# Altium PCB batt_ctrl_pcb_v2.5.PcbDoc
Units mm, origin at the board's own origin, x right, y up, seen from the top; angles counter-clockwise.
Board outline 70 x 60 mm, 2 copper layers (Top Layer, Bottom Layer); 115 components, 96 nets, 353 pads, 177 vias.
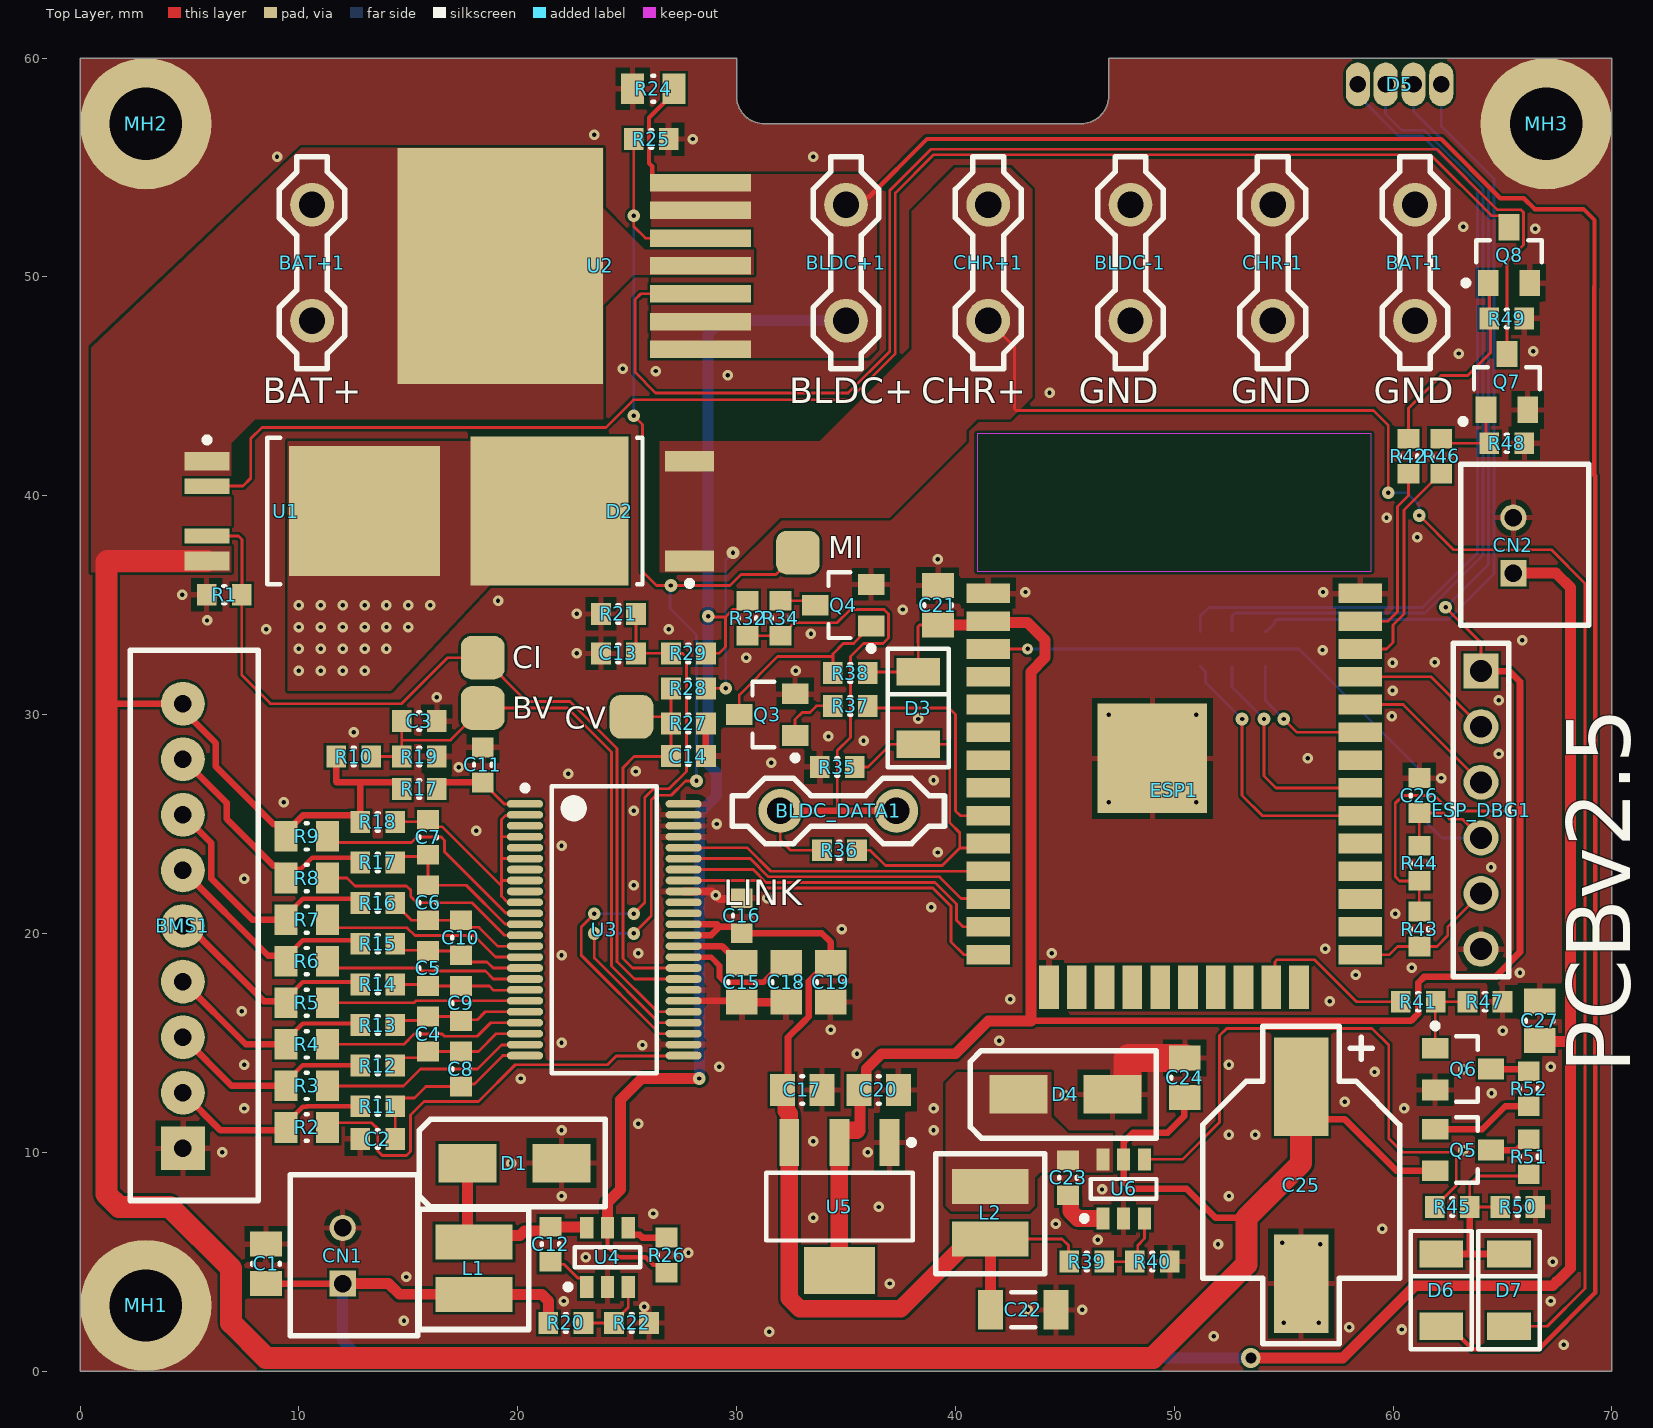
[diagram p0: Top Layer view]
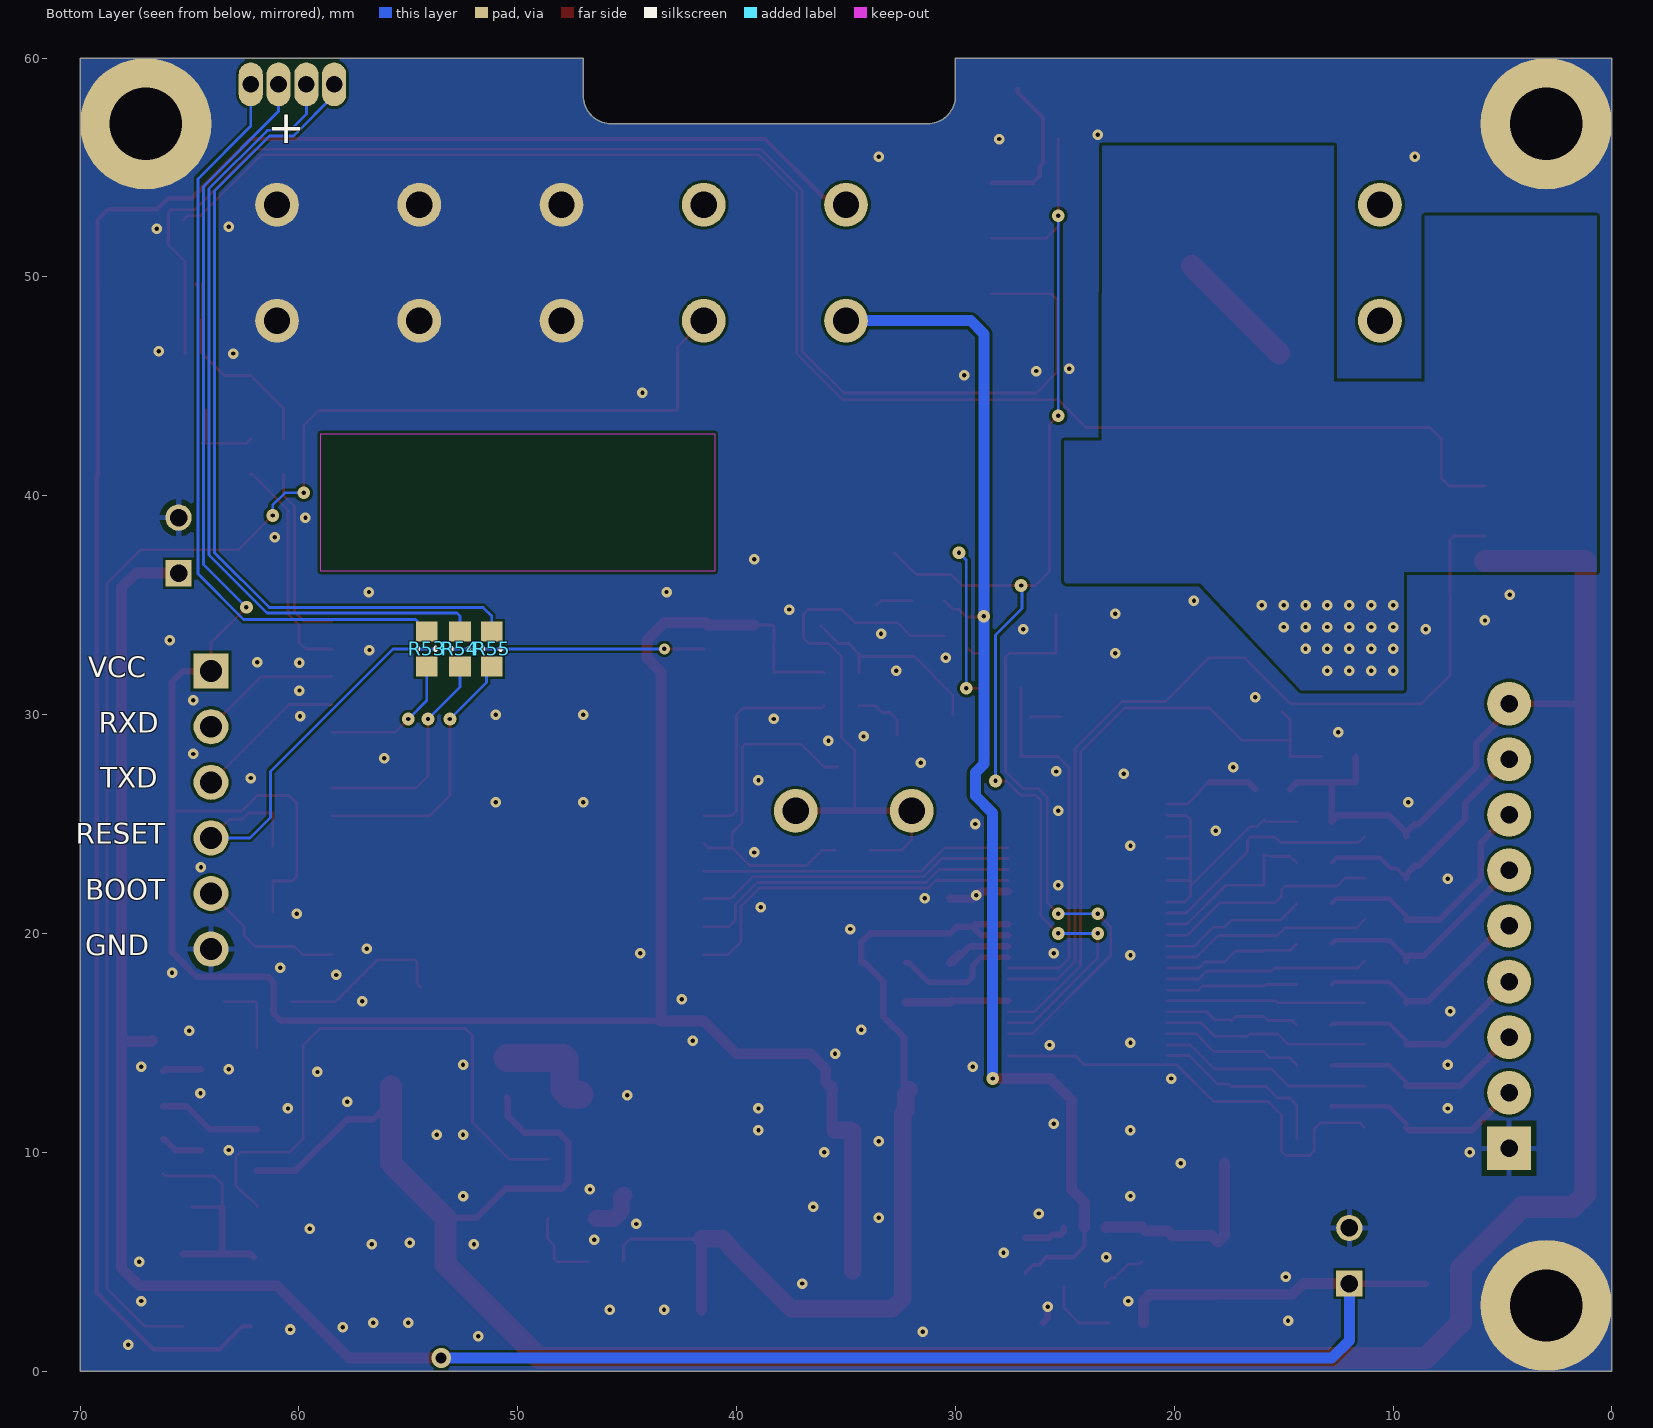
[diagram p1: Bottom Layer view, seen from below]

## Layer stack, top to bottom
Top Solder: solder mask 0.0102, Solder Resist, Dk 3.5
Top Layer: signal copper 0.0356
Dielectric 1: dielectric 0.32, FR-4, Dk 4.8
Bottom Layer: signal copper 0.0356
Bottom Solder: solder mask 0.0102, Solder Resist, Dk 3.5

## Board outline
0,0 0,60 30,60 30,58.27 ccw(c31.27,58.27) 31.27,57 45.73,57 ccw(c45.73,58.27) 47,58.27 47,60 70,60 70,0

## Design rules (kind name [scope] priority, off if disabled: settings)
Clearance [All] p1: gap=0.127 ignorepadtopadclearanceinfootprint=FALSE
DiffPairsRouting [All] p1: maxlimit=0.254 minlimit=0.127 mostfreqgap=0.254 toplayer_minwidth=0.127 toplayer_maxwidth=0.381 toplayer_prefwidth=0.381 bottomlayer_minwidth=0.127 bottomlayer_maxwidth=0.381 bottomlayer_prefwidth=0.381 maxuncoupledlength=12.7
HoleSize [All] p1: absolutevalues=TRUE maxlimit=6.3 minlimit=0.2 maxpercent=80.000 minpercent=20.000
HoleToHoleClearance [All] p1: gap=0.25 allowstackedmicrovias=TRUE
MinimumAnnularRing [All] p1: minimumring=0.13
MinimumSolderMaskSliver [All] p1: minsoldermaskwidth=0.05
PlaneClearance [All] p1: clearance=0.3
PlaneConnect Direct [IsVia] p1: planeconnectstyle=Direct reliefexpansion=0.508 reliefentries=4 reliefconductorwidth=0.254 reliefairgap=0.254
PlaneConnect [All] p2: planeconnectstyle=Relief reliefexpansion=0.508 reliefentries=4 reliefconductorwidth=0.254 reliefairgap=0.254
PolygonConnect DirectPolygonConnect [InNetClass('Direct') or IsVia or (CompParameterValue('ClassName')='DirectGND')] p1: connectstyle=Direct reliefconductorwidth=0.254 reliefentries=4 polygonreliefangle="90 Angle" airgapwidth=0.254
PolygonConnect Mainrule [All] p2: connectstyle=Relief reliefconductorwidth=0.254 reliefentries=4 polygonreliefangle="90 Angle" airgapwidth=0.254
RoutingVias [All] p1: holewidth=0.3 width=0.9 viastyle="Through Hole" minholewidth=0.2 minwidth=0.58 maxholewidth=6.3 maxwidth=8
SilkToSilkClearance [All] p1: silktosilkclearance=0.2
SilkToSolderMaskClearance [IsPad] p1: minsilkscreentomaskgap=0.15 clearancetoexposedcopper=TRUE
SolderMaskExpansion [All] p1: expansion=0.05 istentingtop=FALSE
UnRoutedNet [All] p1: checkbadconnections=TRUE
Width [All] p1: maxlimit=5 minlimit=0.127 preferedwidth=0.3
21 further rules are at their usual default settings.

## Classes and differential pairs
component class top_sheet: C26
component class Indication: D5 R53 R54 R55
net class HV: BAT_SUP BLDC_POS CHR_POS CHR_SUP
component class interface: BLDC_DATA1 D3 Q3 Q4 R32 R34 R35 R36 R37 R38
channel class ME3116_5V: U_ME3116_5V1 U_ME3116_5V2
component class U_ME3116_5V1: C12 D1 L1 R20 R22 U4
component class Power: BAT+1 BAT-1 BLDC+1 BLDC-1 C1 C3 C13 C14 C17 C20 C21 C22 C24 C25 C27 CHR+1 CHR-1 CN1 CN2 D2 D6 D7 D? MH1 MH2 MH3 Q5 Q6 Q7 Q8 Q? R1 R10 R19 R21 R24 R25 R26 R27 R28 R29 R41 R42 R45 R46 R47 R48 R49 R50 R51 R52 R?1 U1 U2 U5
net class Direct: BAT_SUP BLDC_POS BS_1 BS_2 CHR_POS CHR_SUP SW_1 SW_2
component class U_ME3116_5V2: C23 D4 L2 R39 R40 U6
component class U_LTC6804-2_BMS_TR: BMS1 C2 C4 C5 C6 C7 C8 C9 C10 C11 C15 C16 C18 C19 C? CN? D? MH? Q? R2 R3 R4 R5 R6 R7 R8 R9 R11 R12 R13 R14 R15 R16 R17 R18 R?1 U3 U?
component class U_ESP32_WROOM2: ESP1 ESP_DBG1 R43 R44

## Components (designator, comment, footprint, x,y, rotation, side; value= is the part's Value field where it differs from the comment)
BAT+1 "Crimp 6.3 single PCB" "Crimp 6.3mm single PCB" 10,45.8 r0 top (schematic designator BAT+)
BAT-1 "Crimp 6.3 single PCB" "Crimp 6.3mm single PCB" 61.6,55.5 r180 top (schematic designator BAT-)
BLDC+1 "Crimp 6.3 single PCB" "Crimp 6.3mm single PCB" 34.4,45.8 r0 top (schematic designator BLDC+)
BLDC-1 "Crimp 6.3 single PCB" "Crimp 6.3mm single PCB" 48.6,55.5 r180 top (schematic designator BLDC-)
BLDC_DATA1 "Crimp 6.3 single PCB" "Crimp 6.3mm single PCB" 29.8,26.2 r270 top (schematic designator BLDC_DATA)
BMS1 "PIN HEADER 1x9" "XH2.54 9P" 4.7,10.18 r180 top (schematic designator BMS)
C1 "6u8" CAPC0805(2012)75_N 8.5,4.9 r90 top (schematic designator C2)
C2 "100n" CAPC0603(1608)55_N 13.6,10.6 r180 top (schematic designator C41)
C3 "100n" CAPC0603(1608)55_N 15.5,29.7 r0 top (schematic designator C1)
C4 "100n" CAPC0603(1608)55_N 15.9,15.4 r270 top (schematic designator C43)
C5 "100n" CAPC0603(1608)55_N 15.9,18.4 r270 top (schematic designator C45)
C6 "100n" CAPC0603(1608)55_N 15.9,21.4 r270 top (schematic designator C47)
C7 "100n" CAPC0603(1608)55_N 15.9,24.4 r270 top (schematic designator C48)
C8 "100n" CAPC0603(1608)55_N 17.4,13.8 r270 top (schematic designator C42)
C9 "100n" CAPC0603(1608)55_N 17.4,16.8 r270 top (schematic designator C44)
C10 "100n" CAPC0603(1608)55_N 17.4,19.8 r270 top (schematic designator C46)
C11 "100n" CAPC0603(1608)55_N 18.4,27.7 r90 top (schematic designator C2)
C12 "100n" CAPC0603(1608)55_N 21.5,5.8 r90 top (schematic designator C1)
C13 "100n" CAPC0603(1608)55_N 24.6,32.8 r180 top (schematic designator C7)
C14 "100n" CAPC0603(1608)55_N 27.8,28.1 r0 top (schematic designator C13)
C15 "1u" CAPC0805(2012)75_N 30.236,17.76 r270 top (schematic designator C3)
C16 "100n" CAPC0603(1608)55_N 30.236,20.808 r90 top (schematic designator C5)
C17 "6u8" CAPC0805(2012)75_N 33,12.85 r0 top (schematic designator C10)
C18 "1u" CAPC0805(2012)75_N 32.268,17.76 r270 top (schematic designator C4)
C19 "6u8" CAPC0805(2012)75_N 34.3,17.76 r270 top (schematic designator C6)
C20 "6u8" CAPC0805(2012)75_N 36.5,12.85 r0 top (schematic designator C11)
C21 "6u8" CAPC0805(2012)75_N 39.2,35 r90 top (schematic designator C12)
C22 "100u" CAPC1206(3216)75_N 43.1,2.8 r0 top (schematic designator C12)
C23 "100n" CAPC0603(1608)55_N 45.148,8.834 r90 top (schematic designator C1)
C24 "6u8" CAPC0805(2012)75_N 50.482,13.406 r270 top (schematic designator C9)
C25 "220uF 35V" "10X10.5 CAPACITOR" 55.8,13 r270 top (schematic designator C8)
C26 "100n" CAPC0603(1608)55_N 61.2,26.3 r90 top (schematic designator C1)
C27 "6u8" CAPC0805(2012)75_N 66.7,16 r90 top (schematic designator C3)
CHR+1 "Crimp 6.3 single PCB" "Crimp 6.3mm single PCB" 40.9,45.8 r0 top (schematic designator CHR+)
CHR-1 "Crimp 6.3 single PCB" "Crimp 6.3mm single PCB" 55.1,55.5 r180 top (schematic designator CHR-)
CN1 "PIN HEADER 1x2" "XH2.54 2P" 12,4 r180 top
CN2 "PIN HEADER 1x2" "XH2.54 2P" 65.5,36.46 r180 top
D1 "SS14" SMA 22,9.5 r180 top
D2 "45V 10A" DPAK 23.4,39.3 r180 top
D3 "1N4148" SOD80 38.3,30.3 r90 top (schematic designator D4)
D4 "SS14" SMA 47.18,12.644 r180 top (schematic designator D1)
D5 "Generic RGB led" "RGB THROU HOLE 90 DEG" 62.2,58.8 r90 top locked (schematic designator D3)
D6 "1N4148" SOD80 62.2,3.7 r90 top (schematic designator D1)
D7 "1N4148" SOD80 65.3,3.7 r90 top (schematic designator D2)
ESP1 "ESP32" ESP32-WROOM 41.5,35.54 r0 top locked
ESP_DBG1 "PIN HEADER 1x6" "PIN HEADER SINGLE 6" 64.018,31.984 r0 top locked (schematic designator ESP_DBG)
L1 "4u7" CD32 18,5.9 r270 top
L2 "4u7" CD32 41.592,8.44 r270 top (schematic designator L1)
MH1 "Mounting Hole" MH_M3 3,3 r0 top (schematic designator MH2)
MH2 "Mounting Hole" MH_M3 3,57 r0 top (schematic designator MH1)
MH3 "Mounting Hole" MH_M3 67,57 r0 top
Q3 "MMBT3904" SOT23 31.4,30 r180 top (schematic designator Q8)
Q4 "MMBT3904" SOT23 34.875,35 r180 top (schematic designator Q7)
Q5 "MMBT3906" SOT23 63.2,10.1 r0 top (schematic designator Q2)
Q6 "MMBT3904" SOT23 63.2,13.8 r0 top (schematic designator Q3)
Q7 "MMBT3904" SOT23 65.2,45.2 r90 top (schematic designator Q1)
Q8 "MMBT3904" SOT23 65.3,51 r90 top (schematic designator Q5)
R1 "1k 1%" RESC0603(1608)_N 6.585,35.475 r0 top (schematic designator R16)
R2 "22" RESC0805(2012)_N 10.35,11.132 r0 top (schematic designator R51)
R3 "22" RESC0805(2012)_N 10.35,13.032 r0 top (schematic designator R52)
R4 "22" RESC0805(2012)_N 10.35,14.932 r0 top (schematic designator R53)
R5 "22" RESC0805(2012)_N 10.35,16.832 r0 top (schematic designator R54)
R6 "22" RESC0805(2012)_N 10.35,18.732 r0 top (schematic designator R55)
R7 "22" RESC0805(2012)_N 10.35,20.632 r0 top (schematic designator R56)
R8 "22" RESC0805(2012)_N 10.35,22.532 r0 top (schematic designator R57)
R9 "22" RESC0805(2012)_N 10.35,24.432 r0 top (schematic designator R58)
R10 "100k 1%" RESC0603(1608)_N 12.5,28.08 r180 top (schematic designator R1)
R11 "10" RESC0603(1608)_N 13.6,12.1 r0 top (schematic designator R41)
R12 "10" RESC0603(1608)_N 13.6,13.957 r0 top (schematic designator R42)
R13 "10" RESC0603(1608)_N 13.6,15.814 r0 top (schematic designator R43)
R14 "10" RESC0603(1608)_N 13.6,17.671 r0 top (schematic designator R44)
R15 "10" RESC0603(1608)_N 13.6,19.529 r0 top (schematic designator R45)
R16 "10" RESC0603(1608)_N 13.6,21.386 r0 top (schematic designator R46)
R17 "100" RESC0603(1608)_N 15.5,26.6 r0 top
R17 "10" RESC0603(1608)_N 13.6,23.243 r0 top (schematic designator R47)
R18 "10" RESC0603(1608)_N 13.6,25.1 r0 top (schematic designator R48)
R19 "10k 1%" RESC0603(1608)_N 15.5,28.08 r180 top (schematic designator R5)
R20 "56k" RESC0603(1608)_N 22.2,2.2 r180 top (schematic designator R1)
R21 "10k 1%" RESC0603(1608)_N 24.6,34.6 r0 top (schematic designator R7)
R22 "10k" RESC0603(1608)_N 25.2,2.2 r180 top (schematic designator R2)
R24 "10k" RESC0805(2012)_N 26.2,58.6 r0 top (schematic designator R33)
R25 "1k 1%" RESC0603(1608)_N 26.1,56.3 r180 top (schematic designator R4)
R26 "10k" RESC0603(1608)_N 26.8,5.3 r270 top (schematic designator R20)
R27 "1k 1%" RESC0603(1608)_N 27.8,29.6 r180 top (schematic designator R18)
R28 "10k 1%" RESC0603(1608)_N 27.8,31.2 r0 top (schematic designator R14)
R29 "100k 1%" RESC0603(1608)_N 27.8,32.8 r0 top (schematic designator R2)
R32 "4k7" RESC0603(1608)_N 30.5,34.4 r90 top (schematic designator R23)
R34 "10" RESC0603(1608)_N 32,34.4 r270 top (schematic designator R25)
R35 "47k" RESC0603(1608)_N 34.6,27.6 r0 top (schematic designator R27)
R36 "390k" RESC0603(1608)_N 34.7,23.8 r180 top (schematic designator R26)
R37 "1k" RESC0603(1608)_N 35.2,30.4 r180 top (schematic designator R28)
R38 "1k" RESC0603(1608)_N 35.2,31.9 r0 top (schematic designator R24)
R39 "56k" RESC0603(1608)_N 46,5 r180 top (schematic designator R1)
R40 "10k" RESC0603(1608)_N 49,5 r180 top (schematic designator R2)
R41 "1k" RESC0603(1608)_N 61.15,16.876 r0 top (schematic designator R12)
R42 "1k" RESC0603(1608)_N 60.7,41.8 r90 top (schematic designator R15)
R43 "1k" RESC0603(1608)_N 61.2,20.2 r270 top (schematic designator R2)
R44 "10k" RESC0603(1608)_N 61.2,23.2 r90 top (schematic designator R1)
R45 "10k" RESC0603(1608)_N 62.7,7.5 r0 top (schematic designator R10)
R46 "1k" RESC0603(1608)_N 62.2,41.8 r90 top (schematic designator R3)
R47 "1k" RESC0603(1608)_N 64.2,16.876 r180 top (schematic designator R13)
R48 "1k" RESC0603(1608)_N 65.2,42.4 r180 top (schematic designator R6)
R49 "1k" RESC0603(1608)_N 65.2,48.1 r180 top (schematic designator R17)
R50 "10k" RESC0603(1608)_N 65.7,7.5 r0 top (schematic designator R8)
R51 "1k" RESC0603(1608)_N 66.2,9.8 r90 top (schematic designator R9)
R52 "100k" RESC0603(1608)_N 66.2,12.9 r90 top (schematic designator R11)
R53 "330" RESC0603(1608)_N 54.16,33 r270 bottom (schematic designator R29)
R54 "330" RESC0603(1608)_N 52.64,33 r270 bottom (schematic designator R30)
R55 "330" RESC0603(1608)_N 51.188,33 r270 bottom (schematic designator R31)
U1 "BTS6143D" ITO252-5-11_M 10.6,39.3 r0 top (schematic designator U4)
U2 "BTS50085" PG-TO220-7-4 19.2,50.5 r90 top locked
U3 "LTC6804-2" SSOP48 23.956,20.168 r0 top locked (schematic designator U1)
U4 "ME3116" SOT23-6 24.1,5.2 r90 top (schematic designator U2)
U5 "AMS1117-3V3" SOT229P700X180-4N 34.7,7.52 r270 top (schematic designator U3)
U6 "ME3116" SOT23-6 47.688,8.326 r90 top (schematic designator U2)

## Footprints (in the part's own frame and the unit in brackets; to place one, negate y for a bottom-side part, rotate by r counter-clockwise, add the part's x,y. Pads: shape width x height; smd on the part's side, far side on the other; paste and mask are expansions set on the pad)
"10X10.5 CAPACITOR" [mm]
  rect 4.5x2.5 smd: +(0,0) -(9,0)
  silkscreen extent -2.75,-4.5 11.75,4.5, body extent -0.7,-4.15 9.2,4.15, height 10.2
CAPC0603(1608)55_N [mm] "Chip Capacitor, Body 1.6x0.8mm, Height 0.55mm, IPC Medium Density"
  rect 0.9x1 smd: 1(-0.8,0) 2(0.8,0)
  silkscreen extent -0.05,-0.4 0.05,0.4, body extent -0.87,-0.48 0.88,0.47, height 0.55
CAPC0805(2012)75_N [mm] "Chip Capacitor, Body 2.0x1.2mm, Height 0.75mm, IPC Medium Density"
  rect 1.15x1.45 smd: 1(-0.9,0) 2(0.9,0)
  silkscreen extent -0.05,-0.62 0.05,0.63, body extent -1.1,-0.72 1.1,0.73, height 0.75
CAPC1206(3216)75_N [mm] "Chip Capacitor, Body 3.2x1.6mm, Height 0.75mm, IPC Medium Density"
  rect 1.15x1.8 smd: 1(-1.5,0) 2(1.5,0)
  silkscreen extent -0.55,-0.8 0.55,0.8, body extent -1.7,-0.9 1.7,0.9, height 0.75
CD32 [mm] "SMD inductor"
  rect 1.6x3.5 smd: 1(0,0) 2(2.4,0)
  silkscreen extent -1.5,-2.5 4,2.5, body extent -0.45,-1.5 2.85,1.5, height 2.1
"Crimp 6.3mm single PCB" [mm]
  round 2 hole 1.2: 1(0.6,2.2) 1(0.6,7.5)
  silkscreen extent -0.9,0 2.1,9.7, body extent 0.2,0.8 1,8.8, height 11
DPAK [mm] "D-PAK, 3-Pads, Body 6,15x6,72mm (max), IPC Medium Density"
  rect 2.25x0.95 smd: 1(-4.45,2.28) 3(-4.45,-2.28)
  rect 7.2x6.8 smd: 2(1.95,0)
  silkscreen extent -4.57,-3.35 -2.05,3.43, body extent -4.81,-3.27 5.13,3.27, height 2.44
ESP32-WROOM [mm] "ESP32-WROOM-32 is a powerful, generic Wi-Fi+BT+BLE MCU module"
  rect 2x0.9 smd: 1(0,0) 2(0,-1.27) 3(0,-2.54) 4(0,-3.81) 5(0,-5.08) 6(0,-6.35) 7(0,-7.62) 8(0,-8.89) 9(0,-10.16) 10(0,-11.43) 11(0,-12.7) 12(0,-13.97) 13(0,-15.24) 14(0,-16.51) 25(17,-16.51) 26(17,-15.24) 27(17,-13.97) 28(17,-12.7) 29(17,-11.43) 30(17,-10.16) 31(17,-8.89) 32(17,-7.62) 33(17,-6.35) 34(17,-5.08) 35(17,-3.81) 36(17,-2.54) 37(17,-1.27) 38(17,0)
  rect 0.9x2 smd: 15(2.775,-18) 16(4.045,-18) 17(5.315,-18) 18(6.585,-18) 19(7.855,-18) 20(9.125,-18) 21(10.395,-18) 22(11.665,-18) 23(12.935,-18) 24(14.205,-18)
  rect 5x5 smd: 39(7.5,-7.54)
  Keep-Out Layer region: -0.5,1 17.5,1 17.5,7.3 -0.5,7.3
  body extent -0.5,-18.05 17.5,7.45, height 2.91
ITO252-5-11_M [mm] "DPAK, 5-Leads, Body 6.5x6.12mm, Pitch 1.14mm, IPC Low Density"
  rect 2.05x0.85 smd: 1(-4.8,2.28) 5(-4.8,-2.28)
  rect 2.05x0.7 smd: 2(-4.8,1.14) 4(-4.8,-1.14)
  rect 6.9x5.95 smd: 3(2.4,0)
  silkscreen extent -4.92,-3.35 -1.45,3.38, body extent -4.7,-3.25 5.2,3.25, height 2.3
MH_M3 [mm] "Mount hole M3"
  round 6 hole 3.3: 1(0,0)
PG-TO220-7-4 [mm]
  rect 0.8x4.6 smd: 1(-3.81,-9.15) 2(-2.54,-9.15) 3(-1.27,-9.15) 4(0,-9.15) 5(1.27,-9.15) 6(2.54,-9.15) 7(3.81,-9.15)
  rect 10.8x9.4 smd: 8(0,0)
"PIN HEADER SINGLE 6" [mm]
  rect 1.6x1.6 hole 1: 1(0,0)
  round 1.6 hole 1: 2(0,-2.54) 3(0,-5.08) 4(0,-7.62) 5(0,-10.16) 6(0,-12.7)
  silkscreen extent -1.27,-13.97 1.27,1.27, body extent -1.27,-13.97 1.27,1.27, height 8.19
RESC0603(1608)_N [mm] "Chip Resistor, Body 1.6x0.8mm, IPC Medium Density"
  rect 0.9x1 smd: 1(-0.8,0) 2(0.8,0)
  silkscreen extent -0.05,-0.4 0.05,0.4, body extent -0.85,-0.47 0.85,0.47, height 0.6
RESC0805(2012)_N [mm] "Chip Resistor, Body 2.0x1.3mm, IPC Medium Density"
  rect 1.05x1.4 smd: 1(-0.95,0) 2(0.95,0)
  silkscreen extent -0.05,-0.6 0.05,0.6, body extent -1.1,-0.67 1.1,0.68, height 0.7
"RGB THROU HOLE 90 DEG" [mm]
  oval 2x1.1 hole 0.762: BC(0,3.81) CA(0,1.27) GC(0,2.54) RC(0,0)
  body extent -3,-20.69 3,4.16, height 9.6